# Altium PCB HORNET-1-IPG.PcbDoc (part 3 of 8) (continued)
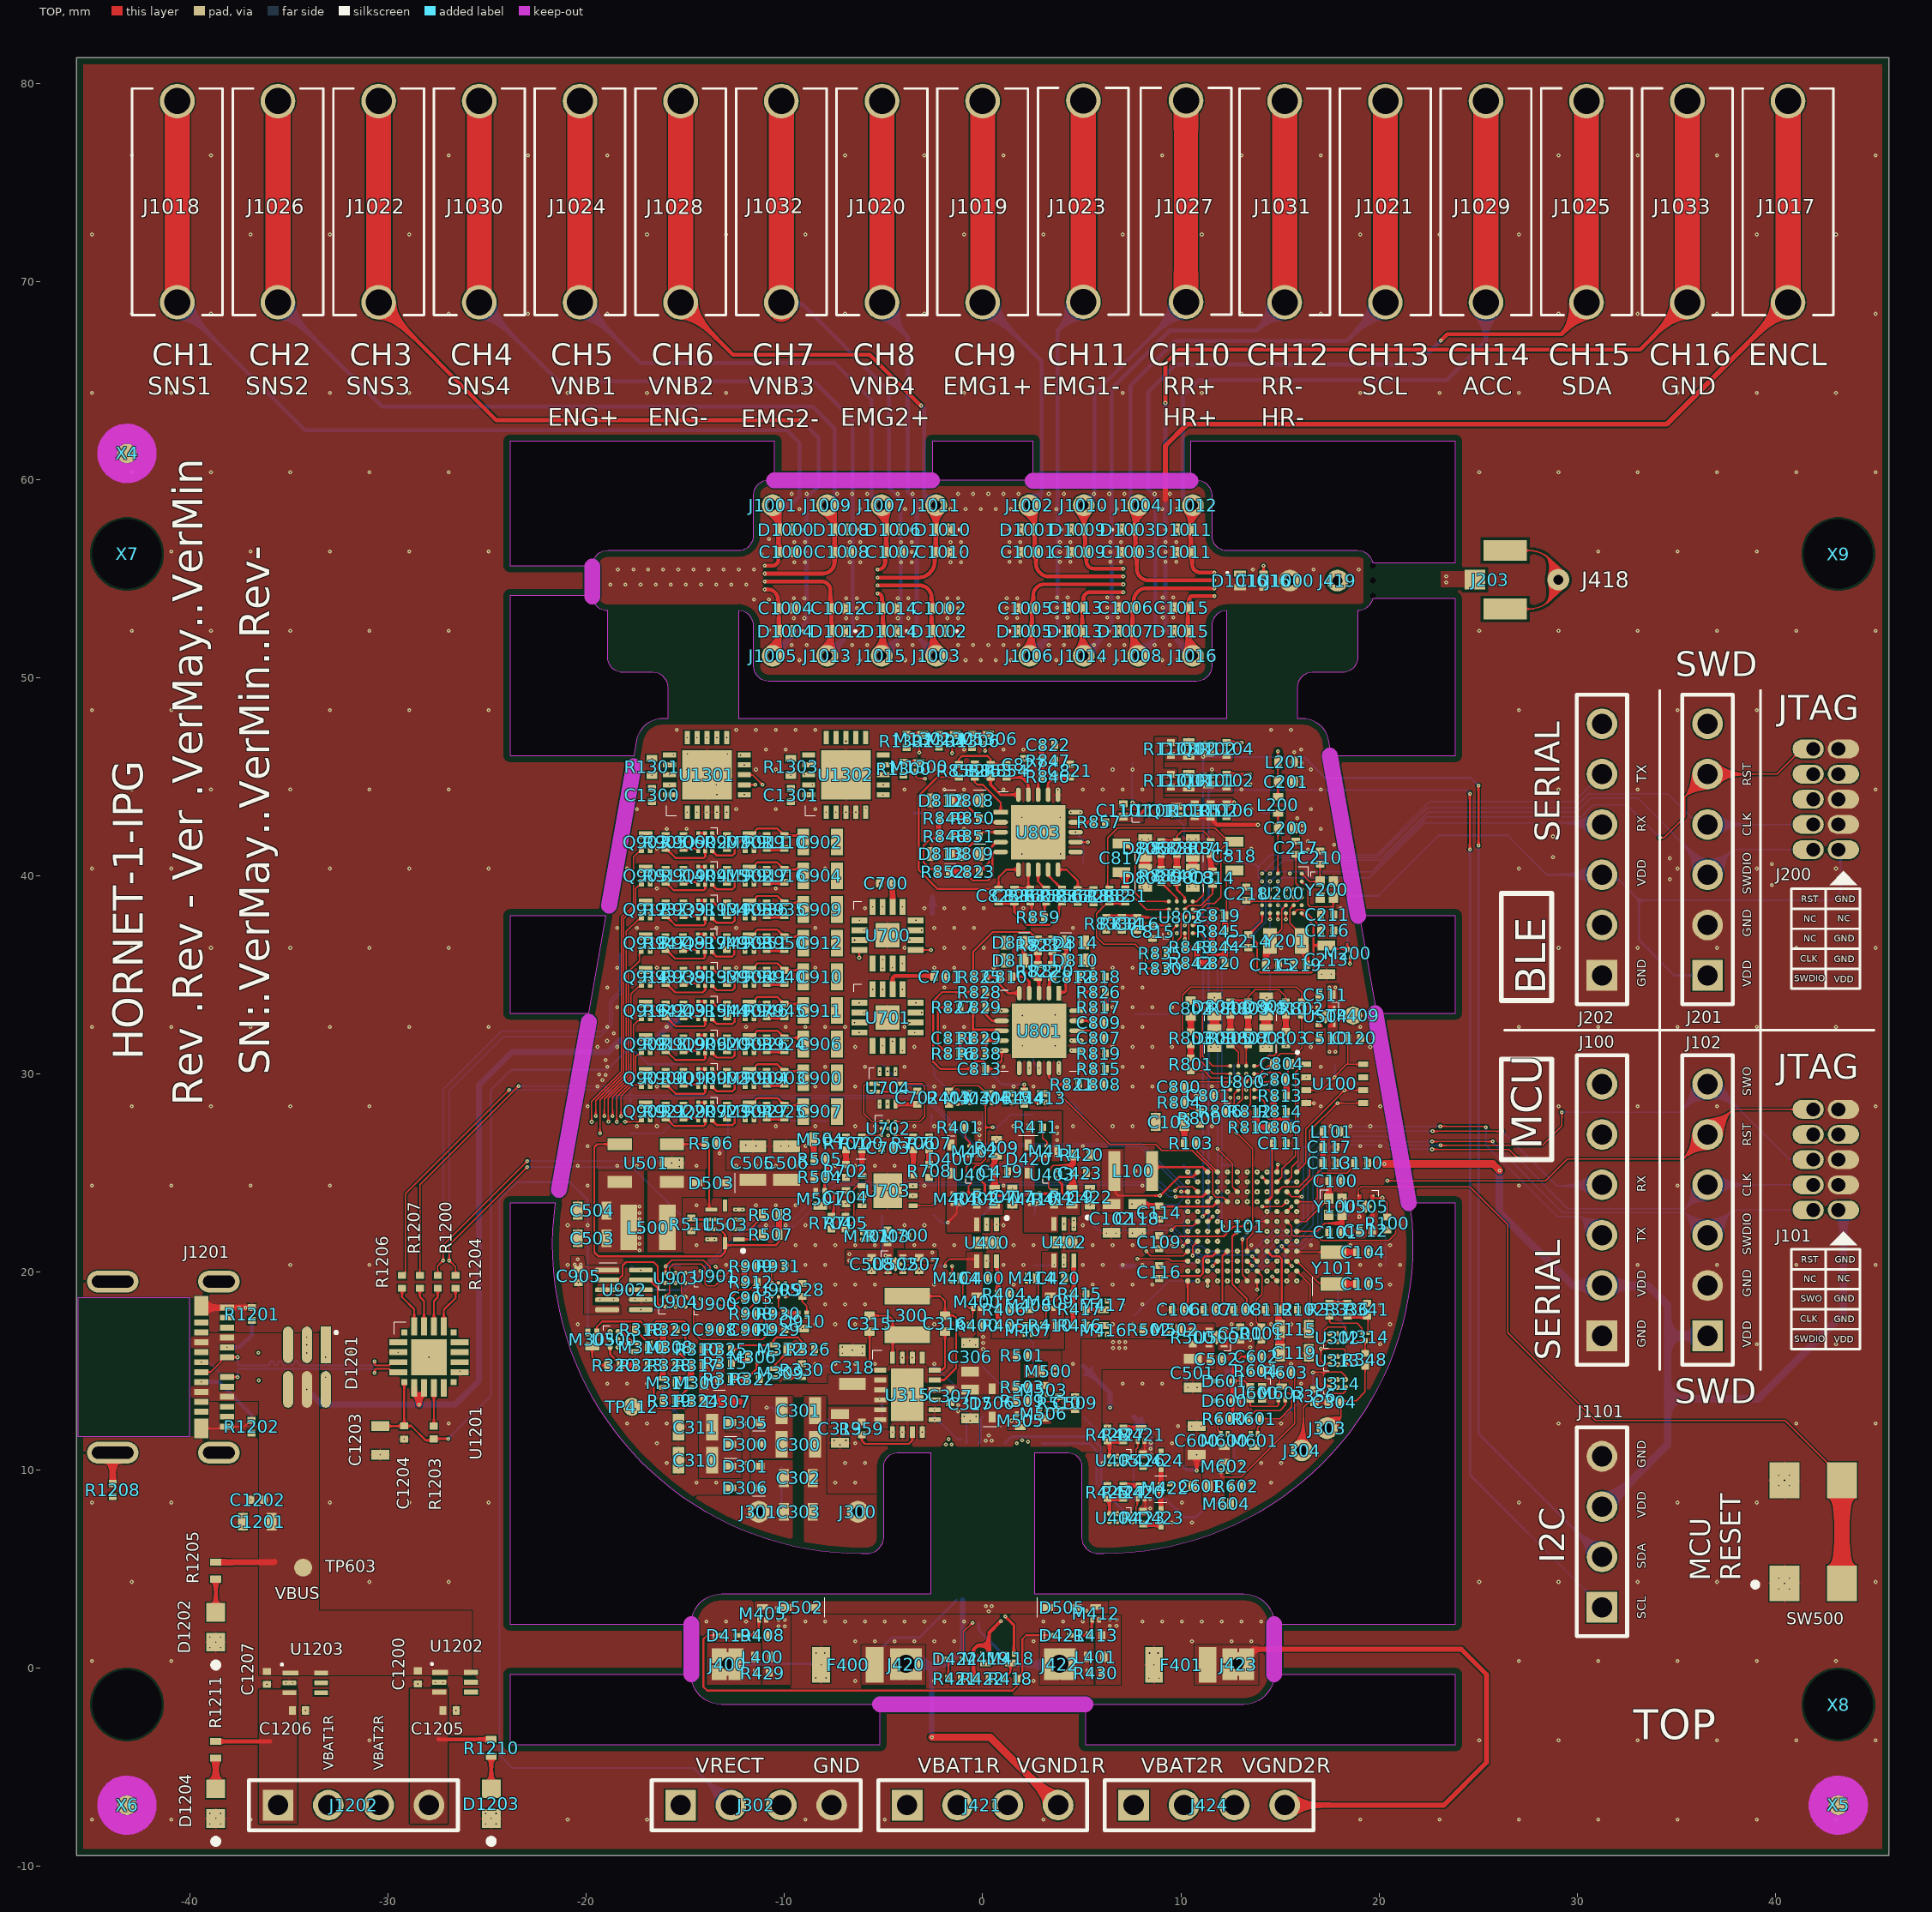
[diagram p0: TOP view]
## Part data (continued)
J1201: library part CMP-04767-000004-1, "CONN RCP USB3.1 TYPEC 24P SMD RA", Current Rating=0.25/1.25/5A, Manufacturer=Molex, Package=0, Supplier Part Number 1=538-105450-0101, Temperature="-30°C to +85°C", Temperature Range High=+85°C, Temperature Range Low=-30°C, Voltage Rating=30V, Automotive=No, Category=Conn, ComponentLink2Description=Datasheet, ComponentLink2URL=https://www.molex.com/webdocs/datasheets/pdf/en-us/1054500101_IO_CONNECTORS.pdf, Conn Orientation="Right Angle", Contact Material=Gold,Nickel, Device Class L1=Connectors, Device Class L2="USB Connectors", Device Class L3=unset, Digikey Description="CONN RCP USB3.1 TYPEC 24P SMD RA", Footprint Url=https://www.molex.com/pdm_docs/sd/1054500101_sd.pdf, Height=3.44mm, Is Female=yes, Lead Free=Yes, Manufacturer Part Number=1054500101, Mouser Description="USB Shielded I/O Receptacle; Type C; Right Angle; Surface Mount; Gold over Nickel", Number of Contacts=24, Octopart=https://octopart.com/105450-0101-molex-68082325, Pitch=0.5mm, RoHS=TRUE, Shielding=true, Supplier 1=Mouser, Usb Standard="USB 3.1"
L100: "Inductor, 2.2uH, 1.76A, 1008", Manufacturer=TDK, Rating=1.76A, Category=Inductor, Manufacturer Part Number=VLS252010HBX-2R2M-1, Review=020823, Status=Approved, Supplier 1="Arrow Electronics", Supplier Part Number 1=VLS252010HBX-2R2M-1
L101: "Inductor, Unshielded, 33nH, 350mA, 0402", Manufacturer=Murata, Medical Grade MFR=TBD, Category=Inductor, Length (mm)=TBD, Manufacturer Part Number=LQG15HS33NJ02D, Medical Grade MFR PN=TBD, PCB Footprint=TBD, Review=020823, Status=Approved, Supplier 1="Arrow Electronics", Supplier Part Number 1=LQG15HS33NJ02D, Thickness (mm)=TBD, Width (mm)=TBD
L200: "Inductor, 3.9nH, 1.95A, 2%, 0402", Current Rating=1.95A, Current Saturation=-, DC Resistance=30mOhms, Manufacturer=Murata, Medical Grade Manufacturer=TBD, Supplier Part Number 1=81-LQW15AN3N9G80D, Tolerance=2%, Category=Inductor, Height=0.5mm, Length=1mm, Manufacturer Part Number=LQW15AN3N9G80D, Medical Grade Manufacturer Part Number=TBD, Shielding=Unshielded, Size Code=0402, Supplier=TBD, Supplier 1=Mouser, Supplier 2=Digikey, Supplier 3=Digikey, Supplier 4=Digikey, Supplier Part Number=TBD, Supplier Part Number 2=490-LQW15AN3N9G80DCT-ND, Supplier Part Number 3=490-LQW15AN3N9G80DDKR-ND, Supplier Part Number 4=490-LQW15AN3N9G80DTR-ND, Temperature Coefficient=-, Width=0.6mm
L201: "Inductor, 1.8nH, 0.46A, Tolerance 0.2 nH, 0402", Current Rating="0.46 A", Current Saturation=-, DC Resistance="160 mOhms", Manufacturer=Murata, Medical Grade Manufacturer=TBD, Supplier Part Number 1=81-LQW15AN1N8C00D, Tolerance="0.2 nH", Category=Inductor, Height=0.5mm, Length=1mm, Manufacturer Part Number=LQW15AN1N8C00D, Medical Grade Manufacturer Part Number=TBD, Shielding=Unshielded, Size Code=0402, Supplier=TBD, Supplier 1=Mouser, Supplier 2=Digikey, Supplier 3=Digikey, Supplier 4=Digikey, Supplier Part Number=TBD, Supplier Part Number 2=490-14479-1-ND, Supplier Part Number 3=490-14479-6-ND, Supplier Part Number 4=490-14479-2-ND, Temperature Coefficient=-, Width=0.6mm
L300 L500: "Inductor, 10uH, 600mA, 20%, 1008", Manufacturer=Wurth, Medical Grade MFR=TBD, Rating=600mA, Supplier Part Number 1=7922736P, Category=Inductor, Length (mm)="2.50 ±0.20", Manufacturer Part Number=74438323100, Medical Grade MFR PN=TBD, PCB Footprint=TBD, Review=020823, Status=Approved, Supplier 1=Rs, Thickness (mm)=1.00, Width (mm)="2.00 ±0.20"
L400 L401: library part IND_DNP_0402, "DNP: Inductor, DNP, 0402", Manufacturer=N/A, Package Description=0402, Category=Inductor, Length (mm)=1.11, Manufacturer PN=N/A, Medical Grade MFR=N/A, Medical Grade MFR PN=N/A, PCB Footprint=ind0402_reduced, Rating=N/A, Review=020823, Status=Approved, Thickness (mm)=0.65, Width (mm)=0.66
M200 M314 M700: "MOSFET, P-chan, -20V, -383mA, DFN0604", Manufacturer="Diodes Inc", Medical Grade MFR=TBD, Rating=-20V, Supplier Part Number 1=31-DMP22D4UFO-7BCT-ND, Category=Transistor, Length (mm)="0.60 ±0.05", Manufacturer Part Number=DMP22D4UFO-7B, Medical Grade MFR PN=TBD, PCB Footprint=TBD, Review=020823, Status=Approved, Supplier 1=Digi-Key, Thickness (mm)="0.36 ±0.04", Width (mm)="0.40 ±0.05"
M300 M311 M312 M504: "MOSFET, N-Chan, 60V, 320mA, DFN1006", Manufacturer="Diodes Inc", Medical Grade MFR=TBD, Rating=60V, Supplier Part Number 1=DMN62D1LFB-7BDICT-ND, Category=Transistor, Length (mm)="1.00 ±0.08", Manufacturer Part Number=DMN62D1LFB-7B, Medical Grade MFR PN=TBD, PCB Footprint=TBD, Review=020823, Status=Approved, Supplier 1=Digi-Key, Thickness (mm)="0.50 ±0.03", Width (mm)="0.60 ±0.08"
M305 M308 M309 M501: "MOSFET, P-chan, -65V, -290mA, DFN1006", Manufacturer="Diodes Inc", Manufacturer Part Number=DMP68D1LFB, Medical Grade MFR=TBD, Rating=-65V, Supplier Part Number 1=621-DMP68D1LFB-7B, Category=Transistor, Length (mm)="1.00 ±0.08", Medical Grade MFR PN=TBD, PCB Footprint=DFN1006, Review=020823, Supplier 1=Mouser, Thickness (mm)="0.50 ±0.03", Width (mm)="0.60 ±0.08"
M306 M401 M402 M410 M411: "MOSFET, P-chan, -20V, -3.4A, DFN1010-3", Manufacturer="Diodes Inc", Medical Grade MFR=TBD, Rating=-20V, Supplier Part Number 1=31-DMP2043UCA3-7CT-ND, Category=Transistor, Length (mm)="0.96 ±0.04", Manufacturer Part Number=DMP2043UCA3-7, Medical Grade MFR PN=TBD, PCB Footprint=TBD, Supplier 1=Digi-Key, Thickness (mm)="0.32 ±0.03", Width (mm)="0.96 ±0.04"
M310: "MOSFET, N-Chan, 60V, 300mA, DFN1006", Manufacturer="Diodes Inc", Medical Grade MFR=TBD, Rating=60V, Supplier Part Number 1=DMN62D1SFB-7BDICT-ND, Category=Transistor, Length (mm)="1.00 ±0.08", Manufacturer Part Number=DMN62D1SFB-7B, Medical Grade MFR PN=TBD, PCB Footprint=TBD, Review=020823, Status=Approved, Supplier 1=Digi-Key, Thickness (mm)="0.50 ±0.03", Width (mm)="0.60 ±0.08"
M400 M405 M409 M412 M420 M421 M500 M505 M600 M601 M603: "MOSFET, P-chan, -20V, -400mA, X2-DFN1006-3", Manufacturer="Diodes Inc", Medical Grade MFR=TBD, Rating=-20V, Supplier Part Number 1=DMP21D5UFB4-7BDICT-ND, Category=Transistor, Length (mm)="1.00 ±0.05", Manufacturer Part Number=DMP21D5UFB4-7B, Medical Grade MFR PN=TBD, Review=020823, Status=Approved, Supplier 1=Digi-Key, Thickness (mm)=0.40, Width (mm)="0.60 ±0.05"
M403 M404 M406 M407 M408 M413 M414 M415 M416 M417 M418 M419 M422 M502 M503 M506 M602 M604 M701 M1300 M1302 M1305 M1306 Q1101 Q1102 Q1103: "MOSFET, N-Chan, 20V, 170mA, DFN0606", Manufacturer="Diodes Inc", Medical Grade MFR=TBD, Rating=20V, Supplier Part Number 1=DMN2990UFZ-7BDICT-ND, Category=Transistor, Length (mm)="0.62 ±0.05", Manufacturer Part Number=DMN2990UFZ-7B, Medical Grade MFR PN=TBD, PCB Footprint=TBD, Review=020823, Status=Approved, Supplier 1=Digi-Key, Thickness (mm)="0.38 ±0.02", Width (mm)="0.62 ±0.05"
M900 M901 M902 M903 M904 M905 M906 M907 M908: "MOSFET, N-Chan, 60V, 210mA, DFN1006", Manufacturer="Diodes Inc", Medical Grade MFR=TBD, Rating=60V, Supplier Part Number 1=DMN65D8LFB-7BDICT-ND, Category=Transistor, Length (mm)="1.00 ±0.08", Manufacturer Part Number=DMN65D8LFB-7B, Medical Grade MFR PN=TBD, PCB Footprint=TBD, Review=020823, Status=Approved, Supplier 1=Digi-Key, Thickness (mm)="0.50 ±0.03", Width (mm)="0.60 ±0.08"
Q900 Q902 Q904 Q906 Q907 Q911 Q913 Q915 Q917: "TRANS 2PNP 40V 0.2A SOT963", Manufacturer="ON Semi", Medical Grade MFR=TBD, Package Description=SOT963, Rating=40V, Supplier Part Number 1=NST3906DP6T5GOSCT-ND, Category=Transistor, Length (mm)="1.00 ±0.05", Manufacturer Part Number=NST3906DP6T5G, Medical Grade MFR PN=TBD, PCB Footprint=TBD, Supplier 1=Digi-Key, Thickness (mm)="0.45 ±0.05", Width (mm)="1.00 ±0.05"
Q901 Q903 Q905 Q908 Q909 Q910 Q912 Q914 Q916 Q918: "Transistor, NPN, 45V, 100mA, DFN1006", Manufacturer="Diodes Inc", Medical Grade MFR=TBD, Rating=45V, Supplier Part Number 1=BC847BLP-7BDICT-ND, Category=Transistor, Length (mm)="1.00 ±0.08", Manufacturer Part Number=BC847BLP-7B, Medical Grade MFR PN=TBD, PCB Footprint=TBD, Supplier 1=Digi-Key, Thickness (mm)="0.50 ±0.03", Width (mm)="0.60 ±0.08"
R100 R101 R404 R415 R510 R908 R1101 R1103: "Fixed Resistor, Metal Glaze/thick Film, 0.05W, 10000ohm, 30V, 1% +/-Tol, 200ppm/Cel, Surface Mount, 0201", Case/Package=0201, Manufacturer=Vishay, Max Operating Temperature=155°C, Medical Grade MFR=Mini-Systems, Medical Grade MFR PN=MWA96SM-1002F-NS62TR, Min Operating Temperature=-55°C, Package Height=0.23mm, Package Length=0.6mm, Package Shape=Rectangular, Package Style=SMTMeter, Package Width=0.3mm, Power=50mW, Rated Temperature=70°C, Resistor Type="FIXED RESISTOR", Supplier Part Number=541-10.0KABCT-ND, Supplier Part Number 1=71-CRCW0201-10K, Temperature Coefficient=200ppm/°C, Tolerance=1%, Working Voltage=30V, Category="Chip SMD Resistors", ComponentLink1Description=https://datasheet.ciiva.com:443/pdfs/VipMasterIC/IC/VISH/VISH-S-A0002932828/VISH-S-A0002932828-1.pdf?src-supplier=IHS+Markit, ComponentLink1URL=https://datasheet.ciiva.com:443/pdfs/VipMasterIC/IC/VISH/VISH-S-A0002932828/VISH-S-A0002932828-1.pdf?src-supplier=IHS+Markit, ComponentLink2Description=https://datasheet.ciiva.com/2474/crcw0201e3-2474819.pdf?src-supplier=Digikey, ComponentLink2URL=https://datasheet.ciiva.com/2474/crcw0201e3-2474819.pdf?src-supplier=Digikey, ComponentLink3Description=https://datasheet.ciiva.com/2474/crcw0201e3-2474820.pdf?src-supplier=Digikey, ComponentLink3URL=https://datasheet.ciiva.com/2474/crcw0201e3-2474820.pdf?src-supplier=Digikey, ComponentLink4Description=https://datasheet.ciiva.com/2474/crcw0201e3-2474818.pdf?src-supplier=Digikey, ComponentLink4URL=https://datasheet.ciiva.com/2474/crcw0201e3-2474818.pdf?src-supplier=Digikey, ComponentLink5Description=https://datasheet.ciiva.com/16436/dcrcwe3-16436222.pdf?src-supplier=Future+Electronics, ComponentLink5URL=https://datasheet.ciiva.com/16436/dcrcwe3-16436222.pdf?src-supplier=Future+Electronics, ComponentLink6Description=https://datasheet.ciiva.com/7983/1719906-7983320.pdf?src-supplier=Element14, ComponentLink6URL=https://datasheet.ciiva.com/7983/1719906-7983320.pdf?src-supplier=Element14, ComponentLink7Description=https://datasheet.ciiva.com/7983/1719906-7983319.pdf?src-supplier=Element14, ComponentLink7URL=https://datasheet.ciiva.com/7983/1719906-7983319.pdf?src-supplier=Element14, ComponentLink8Description=https://datasheet.ciiva.com/22692/1719906-22692709.pdf?src-supplier=Element14, ComponentLink8URL=https://datasheet.ciiva.com/22692/1719906-22692709.pdf?src-supplier=Element14, Construction=Chip, JESD-609 Code=e3, Manufacturer Part Number=CRCW020110K0FNED, Mounting Technology="Surface Mount", Packaging="Tape and Reel", Pins=2, Pricing="1=0,1, 10=0,037, 50=0,0242, 100=0,0204, 500=0,01426, 1000=0,01241, 5000=0,00924 (USD)", Reach SVHC Compliant=Yes, Reference Standard=AEC-Q200, RoHS=Yes, RoHS Compliant=Yes, Stock=1011530, Supplier=Digikey, Supplier 1=Mouser, Technology="METAL GLAZE/THICK FILM", Terminal Finish=Nickel, Termination=Wraparound
R102 R103 R359 R429 R430 R702 R708 R806 R821 R835 R857 R912 R1106: "Fixed Resistor, Metal Glaze/thick Film, 0.05W, 0ohm, Surface Mount, 0201", Case/Package=0201, Manufacturer=Vishay, Max Operating Temperature=155°C, Medical Grade MFR=Mini-Systems, Medical Grade MFR PN=MWA96SM-0000F-NS62TR, Min Operating Temperature=-55°C, Package Height=0.23mm, Package Length=0.6mm, Package Shape=Rectangular, Package Style=SMTMeter, Package Width=0.3mm, Power=50mW, Rated Temperature=70°C, Resistor Type="FIXED RESISTOR", Supplier Part Number=541-0.0AGCT-ND, Supplier Part Number 1=541-0.0AGDKR-ND, Category="Chip SMD Resistors", ComponentLink1Description=https://datasheet.ciiva.com:443/pdfs/VipMasterIC/IC/VISH/VISH-S-A0002932828/VISH-S-A0002932828-1.pdf?src-supplier=IHS+Markit, ComponentLink1URL=https://datasheet.ciiva.com:443/pdfs/VipMasterIC/IC/VISH/VISH-S-A0002932828/VISH-S-A0002932828-1.pdf?src-supplier=IHS+Markit, ComponentLink2Description=https://datasheet.ciiva.com/2471/crcw0201e3-2471712.pdf?src-supplier=Digikey, ComponentLink2URL=https://datasheet.ciiva.com/2471/crcw0201e3-2471712.pdf?src-supplier=Digikey, ComponentLink3Description=https://datasheet.ciiva.com/7841/1719906-7841431.pdf?src-supplier=Element14, ComponentLink3URL=https://datasheet.ciiva.com/7841/1719906-7841431.pdf?src-supplier=Element14, ComponentLink4Description=https://datasheet.ciiva.com/7841/1719906-7841430.pdf?src-supplier=Element14, ComponentLink4URL=https://datasheet.ciiva.com/7841/1719906-7841430.pdf?src-supplier=Element14, ComponentLink5Description=https://datasheet.ciiva.com/22665/1847332-22665688.pdf?src-supplier=Element14, ComponentLink5URL=https://datasheet.ciiva.com/22665/1847332-22665688.pdf?src-supplier=Element14, ComponentLink6Description=https://datasheet.ciiva.com/2471/crcw0201e3-2471713.pdf?src-supplier=Digikey, ComponentLink6URL=https://datasheet.ciiva.com/2471/crcw0201e3-2471713.pdf?src-supplier=Digikey, ComponentLink7Description=https://datasheet.ciiva.com/2471/crcw0201e3-2471711.pdf?src-supplier=Digikey, ComponentLink7URL=https://datasheet.ciiva.com/2471/crcw0201e3-2471711.pdf?src-supplier=Digikey, ComponentLink8Description=https://datasheet.ciiva.com/16757/70202042-16757849.pdf?src-supplier=Allied+Electronics, ComponentLink8URL=https://datasheet.ciiva.com/16757/70202042-16757849.pdf?src-supplier=Allied+Electronics, ComponentLink9Description=https://datasheet.ciiva.com/16436/crcw0201e3-16436237.pdf?src-supplier=Future+Electronics, ComponentLink9URL=https://datasheet.ciiva.com/16436/crcw0201e3-16436237.pdf?src-supplier=Future+Electronics, Construction=Chip, JESD-609 Code=e3, Manufacturer Part Number=CRCW02010000Z0ED, Mounting Technology="Surface Mount", Packaging="Tape and Reel", Pins=2, Pricing="1=0,1, 10=0,034, 25=0,026, 50=0,0198, 100=0,0138, 250=0,01112, 500=0,0089, 1000=0,00655, 5000=0,0047 (USD)", Reach SVHC Compliant=Yes, Reference Standard=AEC-Q200, RoHS=Yes, RoHS Compliant=Yes, Stock=701366, Supplier=Digikey, Supplier 1=Digikey, Technology="METAL GLAZE/THICK FILM", Terminal Finish=Nickel, Termination=Wraparound
R310 R316 R317 R318 R320 R322 R324 R325 R328 R329 R330 R402 R403 R412 R414 R421 R422 R423 R424 R425 R426 R427 R428 R812 R813 R814 R845 R929 R931 R1208: "Fixed Resistor, Metal Glaze/thick Film, 0.05W, 1000000ohm, 30V, 1% +/-Tol, 200ppm/Cel, Surface Mount, 0201", Case/Package=0201, Manufacturer=Vishay, Max Operating Temperature=155°C, Medical Grade MFR=Mini-Systems, Medical Grade MFR PN=MWA96SM-1004F-NS62TR, Min Operating Temperature=-55°C, Package Height=0.23mm, Package Length=0.6mm, Package Shape=Rectangular, Package Style=SMTMeter, Package Width=0.3mm, Power=50mW, Rated Temperature=70°C, Resistor Type="FIXED RESISTOR", Supplier Part Number=541-1.00MABCT-ND, Temperature Coefficient=200ppm/°C, Tolerance=1%, Working Voltage=30V, Category="Chip SMD Resistors", ComponentLink1Description=https://datasheet.ciiva.com:443/pdfs/VipMasterIC/IC/VISH/VISH-S-A0002932828/VISH-S-A0002932828-1.pdf?src-supplier=IHS+Markit, ComponentLink1URL=https://datasheet.ciiva.com:443/pdfs/VipMasterIC/IC/VISH/VISH-S-A0002932828/VISH-S-A0002932828-1.pdf?src-supplier=IHS+Markit, ComponentLink2Description=https://datasheet.ciiva.com/7841/1719906-7841438.pdf?src-supplier=Element14, ComponentLink2URL=https://datasheet.ciiva.com/7841/1719906-7841438.pdf?src-supplier=Element14, ComponentLink3Description=https://datasheet.ciiva.com/7841/1719906-7841439.pdf?src-supplier=Element14, ComponentLink3URL=https://datasheet.ciiva.com/7841/1719906-7841439.pdf?src-supplier=Element14, ComponentLink4Description=https://datasheet.ciiva.com/7859/dcrcwe3-7859689.pdf?src-supplier=Element14, ComponentLink4URL=https://datasheet.ciiva.com/7859/dcrcwe3-7859689.pdf?src-supplier=Element14, ComponentLink5Description=https://datasheet.ciiva.com/16757/70202042-16757675.pdf?src-supplier=Allied+Electronics, ComponentLink5URL=https://datasheet.ciiva.com/16757/70202042-16757675.pdf?src-supplier=Allied+Electronics, ComponentLink6Description=https://datasheet.ciiva.com/22692/1719906-22692761.pdf?src-supplier=Element14, ComponentLink6URL=https://datasheet.ciiva.com/22692/1719906-22692761.pdf?src-supplier=Element14, ComponentLink7Description=https://datasheet.ciiva.com/9109/crcw0201e3-9109910.pdf?src-supplier=Avnet, ComponentLink7URL=https://datasheet.ciiva.com/9109/crcw0201e3-9109910.pdf?src-supplier=Avnet, ComponentLink8Description=https://datasheet.ciiva.com/22675/1847332-22675065.pdf?src-supplier=Element14, ComponentLink8URL=https://datasheet.ciiva.com/22675/1847332-22675065.pdf?src-supplier=Element14, ComponentLink9Description=https://datasheet.ciiva.com/2474/crcw0201e3-2474824.pdf?src-supplier=Digikey, ComponentLink9URL=https://datasheet.ciiva.com/2474/crcw0201e3-2474824.pdf?src-supplier=Digikey, ComponentLink10Description=https://datasheet.ciiva.com/2474/crcw0201e3-2474825.pdf?src-supplier=Digikey, ComponentLink10URL=https://datasheet.ciiva.com/2474/crcw0201e3-2474825.pdf?src-supplier=Digikey, ComponentLink11Description=https://datasheet.ciiva.com/2474/crcw0201e3-2474826.pdf?src-supplier=Digikey, ComponentLink11URL=https://datasheet.ciiva.com/2474/crcw0201e3-2474826.pdf?src-supplier=Digikey, Construction=Chip, JESD-609 Code=e3, Manufacturer Part Number=CRCW02011M00FNED, Mounting Technology="Surface Mount", Packaging="Tape and Reel", Pins=2, Pricing="1=0,1, 10=0,037, 50=0,0242, 100=0,0204, 500=0,01426, 1000=0,01241, 5000=0,00924 (USD)", Reach SVHC Compliant=Yes, Reference Standard=AEC-Q200, RoHS=Yes, RoHS Compliant=Yes, Stock=392914, Supplier=Digikey, Supplier 1=Digikey, Supplier Part Number 1=541-1.00MABCT-ND, Technology="METAL GLAZE/THICK FILM", Terminal Finish=Nickel, Termination=Wraparound
R315: "Fixed Resistor, Metal Glaze/thick Film, 0.05W, 402ohm, 30V, 1% +/-Tol, 200ppm/Cel, Surface Mount, 0201", Case/Package=0201, Manufacturer=Vishay, Max Operating Temperature=155°C, Medical Grade MFR=Mini-Systems, Medical Grade MFR PN=MWA96SM-4020F-NS62TR, Min Operating Temperature=-55°C, Package Height=0.23mm, Package Length=0.6mm, Package Shape=Rectangular, Package Style=SMTMeter, Package Width=0.3mm, Power=50mW, Rated Temperature=70°C, Resistor Type="FIXED RESISTOR", Supplier Part Number=541-CRCW0201402RFNEDCT-ND, Temperature Coefficient=200ppm/°C, Tolerance=1%, Working Voltage=30V, Category="Chip SMD Resistors", ComponentLink1Description=https://datasheet.ciiva.com:443/pdfs/VipMasterIC/IC/VISH/VISH-S-A0002932828/VISH-S-A0002932828-1.pdf?src-supplier=IHS+Markit, ComponentLink1URL=https://datasheet.ciiva.com:443/pdfs/VipMasterIC/IC/VISH/VISH-S-A0002932828/VISH-S-A0002932828-1.pdf?src-supplier=IHS+Markit, ComponentLink2Description=https://datasheet.ciiva.com/7881/1719906-7881798.pdf?src-supplier=Element14, ComponentLink2URL=https://datasheet.ciiva.com/7881/1719906-7881798.pdf?src-supplier=Element14, ComponentLink3Description=https://datasheet.ciiva.com/7881/1719906-7881799.pdf?src-supplier=Element14, ComponentLink3URL=https://datasheet.ciiva.com/7881/1719906-7881799.pdf?src-supplier=Element14, ComponentLink4Description=https://datasheet.ciiva.com/2577/crcw0201e3-2577154.pdf?src-supplier=Digikey, ComponentLink4URL=https://datasheet.ciiva.com/2577/crcw0201e3-2577154.pdf?src-supplier=Digikey, ComponentLink5Description=https://datasheet.ciiva.com/8939/crcw0201e3-8939131.pdf?src-supplier=Avnet, ComponentLink5URL=https://datasheet.ciiva.com/8939/crcw0201e3-8939131.pdf?src-supplier=Avnet, ComponentLink6Description=https://datasheet.ciiva.com/22676/1700795-22676524.pdf?src-supplier=Element14, ComponentLink6URL=https://datasheet.ciiva.com/22676/1700795-22676524.pdf?src-supplier=Element14, Construction=Chip, JESD-609 Code=e3, Manufacturer Part Number=CRCW0201402RFNED, Mounting Technology="Surface Mount", Packaging="Tape and Reel", Pins=2, Pricing="1=0,1, 10=0,037, 50=0,0242, 100=0,0204, 500=0,01426, 1000=0,01241, 5000=0,00924 (USD)", Reach SVHC Compliant=Yes, Reference Standard=AEC-Q200, RoHS=Yes, RoHS Compliant=Yes, Stock=69102, Supplier=Digikey, Supplier 1=Digikey, Supplier Part Number 1=541-CRCW0201402RFNEDCT-ND, Technology="METAL GLAZE/THICK FILM", Terminal Finish=Nickel, Termination=Wraparound
R319: "Fixed Resistor, Metal Glaze/thick Film, 0.05W, 49.9ohm, 30V, 1% +/-Tol, 200ppm/Cel, Surface Mount, 0201", Case/Package=0201, Manufacturer=Vishay, Max Operating Temperature=155°C, Medical Grade MFR=Mini-Systems, Medical Grade MFR PN=MWA96SM-0500F-NS62TR, Min Operating Temperature=-55°C, Package Height=0.23mm, Package Length=0.6mm, Package Shape=Rectangular, Package Style=SMTMeter, Package Width=0.3mm, Power=50mW, Rated Temperature=70°C, Resistor Type="FIXED RESISTOR", Supplier Part Number=541-49.9ABCT-ND, Temperature Coefficient=200ppm/°C, Tolerance=1%, Working Voltage=30V, Category="Chip SMD Resistors", ComponentLink1Description=https://datasheet.ciiva.com:443/pdfs/VipMasterIC/IC/VISH/VISH-S-A0002932828/VISH-S-A0002932828-1.pdf?src-supplier=IHS+Markit, ComponentLink1URL=https://datasheet.ciiva.com:443/pdfs/VipMasterIC/IC/VISH/VISH-S-A0002932828/VISH-S-A0002932828-1.pdf?src-supplier=IHS+Markit, Construction=Chip, JESD-609 Code=e3, Manufacturer Part Number=CRCW020149R9FNED, Mounting Technology="Surface Mount", Packaging="Tape and Reel", Pins=2, Pricing="1=0,1, 10=0,037, 50=0,0242, 100=0,0204, 500=0,01426, 1000=0,01241, 5000=0,00924 (USD)", Reach SVHC Compliant=Yes, Reference Standard=AEC-Q200, RoHS=Yes, RoHS Compliant=Yes, Stock=372758, Supplier=Digikey, Supplier 1=Digikey, Supplier Part Number 1=541-49.9ABCT-ND, Technology="METAL GLAZE/THICK FILM", Terminal Finish=Nickel, Termination=Wraparound
R323 R838 R861: "Fixed Resistor, Metal Glaze/thick Film, 0.05W, 150000ohm, 30V, 1% +/-Tol, 200ppm/Cel, Surface Mount, 0201", Case/Package=0201, Manufacturer=Vishay, Max Operating Temperature=155°C, Medical Grade MFR=Mini-Systems, Medical Grade MFR PN=MWA96SM-1503F-NS62TR, Min Operating Temperature=-55°C, Package Height=0.23mm, Package Length=0.6mm, Package Shape=Rectangular, Package Style=SMTMeter, Package Width=0.3mm, Power=50mW, Rated Temperature=70°C, Resistor Type="FIXED RESISTOR", Supplier Part Number=541-CRCW0201150KFNEDCT-ND, Supplier Part Number 1=541-CRCW0201150KFNEDDKR-ND, Temperature Coefficient=200ppm/°C, Tolerance=1%, Working Voltage=30V, Category="Chip SMD Resistors", ComponentLink1Description=https://datasheet.ciiva.com:443/pdfs/VipMasterIC/IC/VISH/VISH-S-A0002932828/VISH-S-A0002932828-1.pdf?src-supplier=IHS+Markit, ComponentLink1URL=https://datasheet.ciiva.com:443/pdfs/VipMasterIC/IC/VISH/VISH-S-A0002932828/VISH-S-A0002932828-1.pdf?src-supplier=IHS+Markit, ComponentLink2Description=https://datasheet.ciiva.com/7673/1719906-7673181.pdf?src-supplier=Element14, ComponentLink2URL=https://datasheet.ciiva.com/7673/1719906-7673181.pdf?src-supplier=Element14, ComponentLink3Description=https://datasheet.ciiva.com/7673/1719906-7673182.pdf?src-supplier=Element14, ComponentLink3URL=https://datasheet.ciiva.com/7673/1719906-7673182.pdf?src-supplier=Element14, ComponentLink4Description=https://datasheet.ciiva.com/2577/crcw0201e3-2577323.pdf?src-supplier=Digikey, ComponentLink4URL=https://datasheet.ciiva.com/2577/crcw0201e3-2577323.pdf?src-supplier=Digikey, ComponentLink5Description=https://datasheet.ciiva.com/8968/crcw0201e3-8968685.pdf?src-supplier=Avnet, ComponentLink5URL=https://datasheet.ciiva.com/8968/crcw0201e3-8968685.pdf?src-supplier=Avnet, ComponentLink6Description=https://datasheet.ciiva.com/22692/1719906-22692733.pdf?src-supplier=Element14, ComponentLink6URL=https://datasheet.ciiva.com/22692/1719906-22692733.pdf?src-supplier=Element14, Construction=Chip, JESD-609 Code=e3, Manufacturer Part Number=CRCW0201150KFNED, Mounting Technology="Surface Mount", Packaging="Tape and Reel", Pins=2, Pricing="1=0,1, 10=0,037, 50=0,0242, 100=0,0204, 500=0,01426, 1000=0,01241, 5000=0,00924 (USD)", Reach SVHC Compliant=Yes, Reference Standard=AEC-Q200, RoHS=Yes, RoHS Compliant=Yes, Stock=35009, Supplier=Digikey, Supplier 1=Digikey, Technology="METAL GLAZE/THICK FILM", Terminal Finish=Nickel, Termination=Wraparound
R326 R500 R705 R829 R856: "Fixed Resistor, Metal Glaze/thick Film, 0.05W, 100000ohm, 30V, 1% +/-Tol, 200ppm/Cel, Surface Mount, 0201", Case/Package=0201, Manufacturer=Vishay, Max Operating Temperature=155°C, Medical Grade MFR=Mini-Systems, Medical Grade MFR PN=MWA96SM-1003F-NS62TR, Min Operating Temperature=-55°C, Package Height=0.23mm, Package Length=0.6mm, Package Shape=Rectangular, Package Style=SMTMeter, Package Width=0.3mm, Power=50mW, Rated Temperature=70°C, Resistor Type="FIXED RESISTOR", Supplier Part Number=541-100KABCT-ND, Temperature Coefficient=200ppm/°C, Tolerance=1%, Working Voltage=30V, Category="Chip SMD Resistors", ComponentLink1Description=https://datasheet.ciiva.com:443/pdfs/VipMasterIC/IC/VISH/VISH-S-A0002932828/VISH-S-A0002932828-1.pdf?src-supplier=IHS+Markit, ComponentLink1URL=https://datasheet.ciiva.com:443/pdfs/VipMasterIC/IC/VISH/VISH-S-A0002932828/VISH-S-A0002932828-1.pdf?src-supplier=IHS+Markit, ComponentLink2Description=https://datasheet.ciiva.com/2474/crcw0201e3-2474797.pdf?src-supplier=Digikey, ComponentLink2URL=https://datasheet.ciiva.com/2474/crcw0201e3-2474797.pdf?src-supplier=Digikey, ComponentLink3Description=https://datasheet.ciiva.com/2474/crcw0201e3-2474798.pdf?src-supplier=Digikey, ComponentLink3URL=https://datasheet.ciiva.com/2474/crcw0201e3-2474798.pdf?src-supplier=Digikey, ComponentLink4Description=https://datasheet.ciiva.com/2474/crcw0201e3-2474799.pdf?src-supplier=Digikey, ComponentLink4URL=https://datasheet.ciiva.com/2474/crcw0201e3-2474799.pdf?src-supplier=Digikey, ComponentLink5Description=https://datasheet.ciiva.com/16436/dcrcwe3-16436220.pdf?src-supplier=Future+Electronics, ComponentLink5URL=https://datasheet.ciiva.com/16436/dcrcwe3-16436220.pdf?src-supplier=Future+Electronics, ComponentLink6Description=https://datasheet.ciiva.com/28634/1847332-28634462.pdf?src-supplier=Element14, ComponentLink6URL=https://datasheet.ciiva.com/28634/1847332-28634462.pdf?src-supplier=Element14, ComponentLink7Description=https://datasheet.ciiva.com/22665/1700795-22665689.pdf?src-supplier=Element14, ComponentLink7URL=https://datasheet.ciiva.com/22665/1700795-22665689.pdf?src-supplier=Element14, ComponentLink8Description=https://datasheet.ciiva.com/22870/70202042-22870476.pdf?src-supplier=Allied+Electronics, ComponentLink8URL=https://datasheet.ciiva.com/22870/70202042-22870476.pdf?src-supplier=Allied+Electronics, ComponentLink9Description=https://datasheet.ciiva.com/16777/70202042-16777655.pdf?src-supplier=Allied+Electronics, ComponentLink9URL=https://datasheet.ciiva.com/16777/70202042-16777655.pdf?src-supplier=Allied+Electronics, Construction=Chip, JESD-609 Code=e3, Manufacturer Part Number=CRCW0201100KFNED, Mounting Technology="Surface Mount", Packaging="Tape and Reel", Pins=2, Pricing="1=0,1, 10=0,037, 50=0,0242, 100=0,0204, 500=0,01426, 1000=0,01241, 5000=0,00924 (USD)", Reach SVHC Compliant=Yes, Reference Standard=AEC-Q200, RoHS=Yes, RoHS Compliant=Yes, Stock=8252, Supplier=Digikey, Supplier 1=Digikey, Supplier Part Number 1=541-100KABCT-ND, Technology="METAL GLAZE/THICK FILM", Terminal Finish=Nickel, Termination=Wraparound
R336 R341 R400 R401 R408 R410 R411 R413 R502 R503 R504 R505 R509 R600 R601 R602 R603 R604 R703 R800 R801 R803 R804 R808 R809 R815 R819 R823 R824 R832 R833 R834 R836 R837 R846 R847 R848 R849 R903 R910 R916 R924 R925 R935 R940 R945 R950 R1300 R1302 R1304 R1306: "Fixed Resistor, Metal Glaze/thick Film, 0.05W, 10000000ohm, 30V, 1% +/-Tol, 200ppm/Cel, Surface Mount, 0201", Case/Package=0201, Manufacturer="Vishay Draloric", Max Operating Temperature=155°C, Medical Grade MFR=Mini-Systems, Medical Grade MFR PN=MWA96SM-1005F-NS62TR, Min Operating Temperature=-55°C, Package Shape=Rectangular, Power=50mW, Rated Temperature=70°C, Resistor Type="FIXED RESISTOR", Supplier Part Number=71-CRCW020110M0FNED, Supplier Part Number 1=541-CRCW020110M0FNEDCT-ND, Temperature Coefficient=200ppm/°C, Tolerance=1%, Working Voltage=30V, Category="Chip SMD Resistors", ComponentLink1Description=https://datasheet.ciiva.com:443/pdfs/VipMasterIC/IC/VISH/VISH-S-A0002932828/VISH-S-A0002932828-1.pdf?src-supplier=IHS+Markit, ComponentLink1URL=https://datasheet.ciiva.com:443/pdfs/VipMasterIC/IC/VISH/VISH-S-A0002932828/VISH-S-A0002932828-1.pdf?src-supplier=IHS+Markit, ComponentLink2Description=https://datasheet.ciiva.com/7673/1719906-7673177.pdf?src-supplier=Element14, ComponentLink2URL=https://datasheet.ciiva.com/7673/1719906-7673177.pdf?src-supplier=Element14, ComponentLink3Description=https://datasheet.ciiva.com/7673/1719906-7673178.pdf?src-supplier=Element14, ComponentLink3URL=https://datasheet.ciiva.com/7673/1719906-7673178.pdf?src-supplier=Element14, ComponentLink4Description=https://datasheet.ciiva.com/22692/1719906-22692711.pdf?src-supplier=Element14, ComponentLink4URL=https://datasheet.ciiva.com/22692/1719906-22692711.pdf?src-supplier=Element14, ComponentLink5Description=https://datasheet.ciiva.com/22665/1700795-22665701.pdf?src-supplier=Element14, ComponentLink5URL=https://datasheet.ciiva.com/22665/1700795-22665701.pdf?src-supplier=Element14, JESD-609 Code=e3, Manufacturer Part Number=CRCW020110M0FNED, Mounting Technology="Surface Mount", Packaging="Tape and Reel", Pins=2, Pricing="1=0,1, 10=0,024, 50=0,024, 100=0,014, 1000=0,011, 10000=0,006 (USD)", Reach SVHC Compliant=Yes, RoHS=Yes, RoHS Compliant=Yes, Stock=159754, Supplier=Mouser, Supplier 1=Digikey, Technology="METAL GLAZE/THICK FILM", Terminal Finish=Nickel, Termination=Wraparound